# Altium PCB CatsPi-Dev-Board-using-CM4.PcbDoc (part 2 of 2)
Units mm, origin at the board's own origin, x right, y up, seen from the top; angles counter-clockwise.
Board outline 85 x 56 mm, 4 copper layers (Top Layer, GND, Power, Bottom Layer), stack 1.57 mm thick; 86 components, 97 nets, 561 pads, 447 vias.
Unrouted connection lines stored in the file: 3.
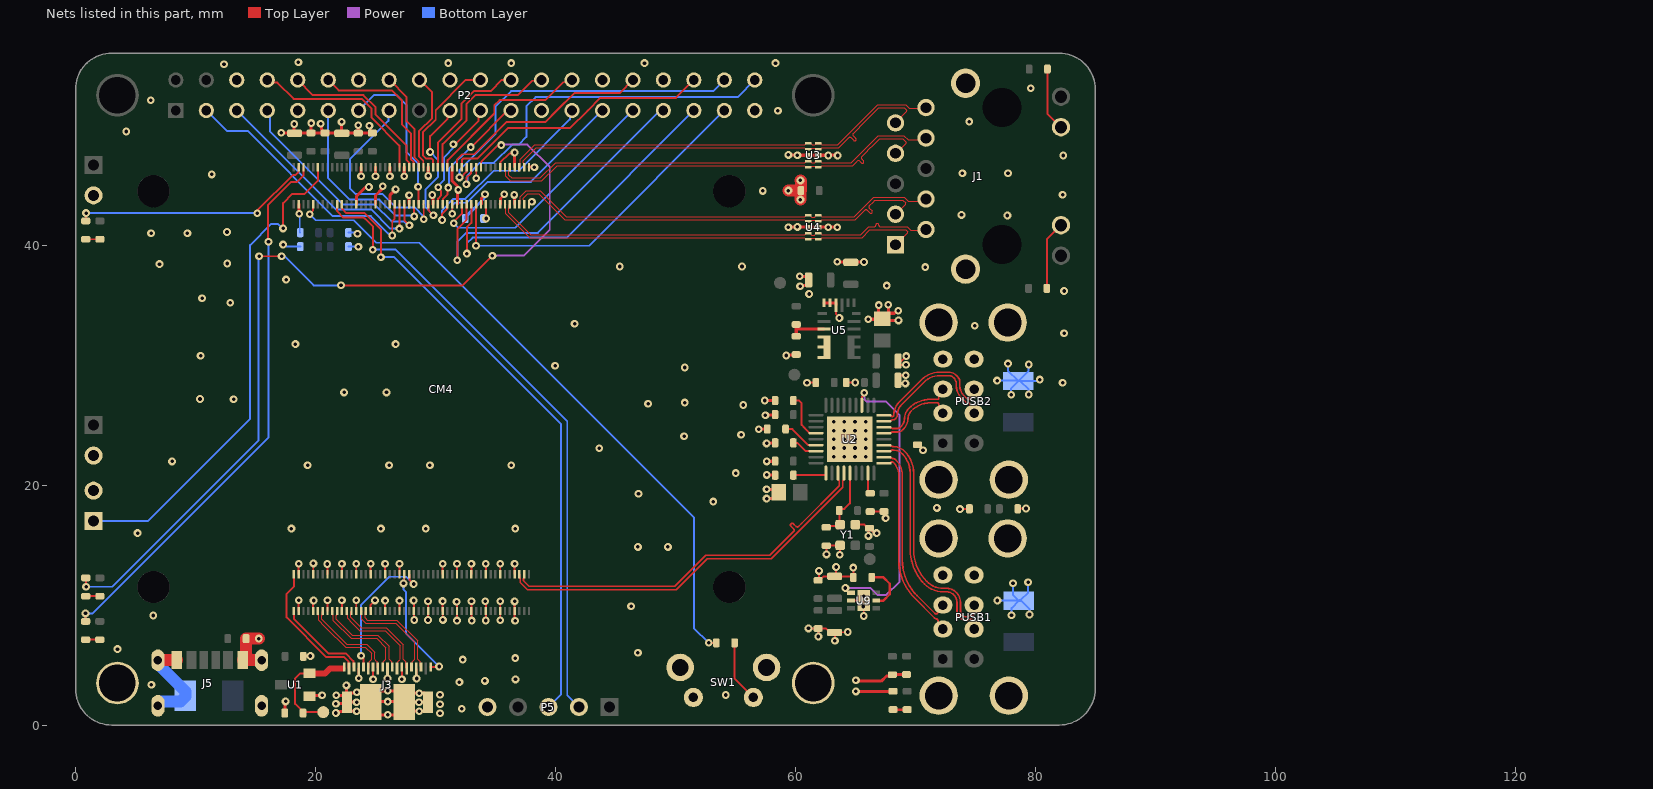
[diagram p4: the nets of this part, all layers, seen from the top]

## Via types
v1: diameter 0.65, hole 0.3, Top Layer to Bottom Layer, tented both sides, 372 vias
v2: diameter 0.85, hole 0.45, Top Layer to Bottom Layer, tented both sides, 55 vias
v3: diameter 0.66, hole 0.3, Top Layer to Bottom Layer, tented both sides, 20 vias

## Nets (pads, with @x,y where several pads share a name; then routed paths per layer and width w, separated by ;. In a path a pad name is that pad's centre, name@x,y a point inside that pad or via, vN(x,y) a via of type N, cw(c..) or ccw(c..) an arc to the next point about the centre after c; other vN are vias at no path point) (continued)
GND: C1.1 C3.1 C4.2 C5.2 C6.1 C7.1 C8.2 C10.1 C11.2 C12.2 C13.1 C14.2 C15.1 C16.1 C17.1 C18.1 C19.1 C20.1 C21.1 C22.1 C23.1 C24.1 C25.1 C44.1 C45.1 C46.2 C48.1 C61.2 C62.2 C63.2 C68.2 C69.2 C79.1 C82.1 C83.1 C109.2 C112.2 C113.2 C115.1 CM4.1 CM4.2 CM4.7 CM4.8 CM4.13 CM4.14 CM4.22 CM4.23 CM4.32 CM4.33 CM4.42 CM4.43 CM4.52 CM4.53 CM4.59 CM4.60 CM4.65 CM4.66 CM4.71 CM4.74 CM4.98 CM4.107 CM4.108 CM4.113 CM4.114 CM4.119 CM4.120 CM4.125 CM4.126 CM4.131 CM4.132 CM4.137 CM4.138 CM4.144 CM4.150 CM4.155 CM4.156 CM4.161 CM4.162 CM4.167 CM4.168 CM4.173 CM4.174 CM4.179 CM4.180 CM4.185 CM4.186 CM4.191 CM4.192 CM4.197 CM4.198 D15.2 J1.15 J1.16 J3.4 J3.7 J3.10 J3.13 J3.16 J3.20 J3.21 J3.22 J3.23 J5.A12 J5.B12 J5.S1 J5.S2 J5.S3 J5.S4 MH1.1 MH6.1 P1.2 P2.6 P2.9 P2.14 P2.20 P2.25 P2.30 P2.34 P2.39 P3.2 P4.2 P5.5 PUSB1.A4 PUSB1.B4 PUSB1.SH1 PUSB1.SH2 PUSB1.SH3 PUSB1.SH4 PUSB2.A4 PUSB2.B4 PUSB2.SH1 PUSB2.SH2 PUSB2.SH3 PUSB2.SH4 R1.2 R3.2 R4.2 R5.2 R6.2 R9.2 R79.1 R106.1 SW1.1 SW1.PE1 SW1.PE2 U1.1 U2.37 U3.3@61.917,47.5 U3.8@61.082,47.5 U4.3@61.917,41.5 U4.8@61.082,41.5 U5.16 U5.17 U5.18 U9.5 U9.7 Y1.2 Y1.4 | length 216.3
  Top Layer w0.16: J5.A12@13.937,5.4 J5.A12@14.212,5.675 ; J5.S2@15.132,5.4 J5.S3@15.508,5.4 ; CM4.198@18.6,9.5 v1(18.6,10.4) ; CM4.197@18.6,12.58 v1(18.6,13.45) ; CM4.192@19.8,9.5 19.8,10.331 v1(19.846,10.377) ; CM4.191@19.8,12.58 19.813,12.593 19.813,13.463 v1(19.825,13.475) ; v1(20.975,13.425) 20.987,13.413 20.987,12.593 CM4.185@21,12.58 ; CM4.186@21,9.5 v1(21,10.4) ; CM4.180@22.2,9.5 v1(22.2,10.4) ; CM4.179@22.2,12.58 v1(22.2,13.45) ; CM4.174@23.4,9.5 v1(23.4,10.4) ; CM4.173@23.4,12.58 v1(23.4,13.45) ; v1(23.6,3.9) J3.16@23.6,4.7 ; CM4.168@24.6,9.5 24.6,10.023 v1(24.963,10.386) ; CM4.167@24.6,12.58 v1(24.6,13.45) ; v1(24.8,3.817) J3.13@24.8,4.825 ; CM4.162@25.8,9.5 v1(25.8,10.375) ; CM4.161@25.8,12.58 v1(25.8,13.45) ; v1(26,3.875) J3.10@26,4.7 ; CM4.156@27,9.5 v1(27,10.375) ; CM4.155@27,12.58 v1(27,13.45) ; v1(27.2,3.817) J3.7@27.2,4.825 ; v1(28.178,10.376) 28.2,10.354 CM4.150@28.2,9.5 28.213,9.487 28.213,8.762 v1(28.225,8.75) ; J3.4@28.4,4.7 28.413,4.687 28.413,3.888 v1(28.425,3.875) ; v1(29.375,8.75) 29.388,8.762 29.388,9.488 CM4.144@29.4,9.5 29.4,10.3 v1(29.375,10.325) ; v1(30.596,10.329) 30.6,10.325 CM4.138@30.6,9.5 30.609,9.491 30.609,8.774 v1(30.618,8.765) ; CM4.137@30.6,12.58 v1(30.6,13.45) ; v1(31.764,10.267) 31.8,10.231 CM4.132@31.8,9.5 v1(31.8,8.7) ; CM4.131@31.8,12.58 v1(31.8,13.45) ; CM4.125@33,12.58 v1(33,13.45) ; v1(33.004,10.309) 33,10.305 CM4.126@33,9.5 33,8.725 v1(33.025,8.7) ; v1(33.4,45.573) CM4.23@33.4,46.5 ; v1(34.15,10.325) 34.2,10.275 CM4.120@34.2,9.5 34.2,8.715 v1(34.193,8.708) ; CM4.119@34.2,12.58 v1(34.2,13.45) ; v1(35.4,8.725) CM4.114@35.4,9.5 v1(35.4,10.325) ; CM4.113@35.4,12.58 v1(35.4,13.45) ; CM4.13@35.4,46.5 35.42,46.52 35.42,46.899 36.153,47.631 36.506,47.631 v1(36.6,47.725) ; v1(36.6,10.3) CM4.108@36.6,9.5 36.6,8.724 v1(36.636,8.688) ; CM4.107@36.6,12.58 v1(36.6,13.45) ; v1(60.975,28.525) 61,28.55 C25.1@61.713,28.55 ; v1(61.1,8.05) 61.106,8.044 61.894,8.044 C82.1@61.9,8.038 ; C83.1@61.9,12.062 61.975,12.137 v1(61.975,12.85) ; v1(61.925,7.375) 61.925,8.013 C82.1@61.9,8.038 ; C83.1@61.975,12.062 62.034,12.062 62.361,12.389 C112.2@63.275,12.389 ; v1(62.6,14.225) 62.6,14.926 C46.2@62.575,14.951 62.587,14.963 Y1.4@63.719,14.963 ; v1(63.3,7.025) 63.3,7.686 C113.2@63.275,7.711 ; U5.16@63.391,34.994 63.391,34.245 63.675,33.961 v1(63.675,33.925) ; v1(63.4,13.175) 63.4,12.514 C112.2@63.275,12.389 ; v1(63.7,14.2) 63.716,14.216 63.716,14.96 Y1.4@63.719,14.963 ; Y1.4@63.731,14.976 Y1.4@63.719,14.963 ; C23.1@64.238,28.55 v1(65,28.55) ; v1(64.375,7.75) 64.355,7.73 63.295,7.73 C113.2@63.275,7.711 ; U9.5@64.65,10.375 U9.7@65.7,10.375 ; v1(64.825,13.125) 64.831,13.119 R106.1@64.831,12.306 ; R106.1@64.838,12.3 R106.1@64.831,12.306 ; Y1.2@65.001,16.703 65.75,16.703 66.041,16.412 C48.1@66.175,16.412 ; v1(65.675,9.875) U9.7@65.7,9.9 ; v1(65.7,9.087) U9.7@65.7,9.9 ; v1(65.7,10.75) U9.7@65.7,10.375 ; v1(66.094,15.764) 66.094,16.331 C48.1@66.175,16.412 ; R3.2@66.244,17.797 C20.1@67.394,17.797 67.525,17.666 v1(67.525,17.25) ; v1(66.776,15.996) 66.591,15.996 C48.1@66.175,16.412 ; v1(69.175,28.475) 68.784,28.475 68.564,28.694 C63.2@68.564,28.735 68.564,28.925 68.784,29.144 69.194,29.144 v1(69.2,29.15) ; v1(69.225,30.025) 68.784,30.025 68.564,30.244 C62.2@68.564,30.335 68.835,30.335 v1(69.25,30.75) ; C24.1@70.175,23.363 70.632,22.906 v1(70.645,22.906) ; v1(73.725,18) 74.488,18 C15.1@74.513,18.025 ; C17.1@78.537,18.025 78.562,18.05 v1(79.225,18.05) ; C82.1@61.9,8.038 62.578,8.038 62.906,7.711 C113.2@63.275,7.711 ; C112.2@63.275,12.389 64.749,12.389 R106.1@64.831,12.306 ; U9.7@65.7,9.9 U9.7@65.7,10.375
  Top Layer w0.254: v1(17.15,49.375) 17.175,49.35 C12.2@18.23,49.35 ; C45.1@17.438,1 17.471,1.033 17.471,1.938 v1(17.505,1.971) ; v1(18.225,50.1) 18.225,49.356 C12.2@18.23,49.35 ; CM4.98@18.621,43.42 18.621,42.654 v1(18.65,42.625) ; C44.1@18.987,5.725 18.999,5.738 19.563,5.738 v1(19.575,5.75) ; U1.1@19.505,2.411 19.569,2.475 v1(20.55,2.475) ; C14.2@19.626,49.351 19.638,49.363 19.638,50.163 v1(19.65,50.175) ; v1(20.425,50.125) 20.501,50.049 20.501,49.651 20.555,49.597 20.555,49.503 20.706,49.351 C13.1@20.801,49.351 ; v1(21.7,1) 21.807,1 21.934,1.127 22.327,1.127 22.625,1.425 J3.20@22.625,1.448 ; v1(21.7,1.775) 22.575,1.775 J3.20@22.625,1.725 ; v1(21.725,2.475) 22.525,2.475 J3.20@22.575,2.425 ; v1(22.175,50.275) 22.175,49.34 C8.2@22.179,49.337 ; C8.2@22.19,49.325 C8.2@22.179,49.337 ; v1(22.575,3.3) J3.20@22.575,2.425 ; CM4.74@23.4,43.42 23.4,44.05 24.2,44.85 v1(24.45,44.85) ; v1(23.561,50) 23.561,49.981 23.641,49.9 23.563,49.822 23.563,49.35 C11.2@23.565,49.348 ; CM4.71@23.8,46.5 v1(23.801,45.752) v1(23.801,45.752) ; v1(24.492,49.96) 24.438,49.96 24.567,49.831 24.567,49.499 24.719,49.348 C7.1@24.74,49.348 ; C7.1@24.842,49.348 C7.1@24.74,49.348 ; CM4.66@25,43.42 25.01,43.43 25.01,44.147 25.6,44.737 v1(25.6,44.912) ; CM4.65@25,46.5 25,45.753 v1(25.001,45.752) ; CM4.60@26.2,43.42 26.221,43.441 26.221,44.196 v1(26.675,44.65) ; CM4.59@26.2,46.5 v1(26.201,45.752) v1(26.201,45.752) ; CM4.53@27.4,46.5 27.4,45.754 v1(27.401,45.752) ; CM4.52@27.8,43.42 27.801,43.421 v1(27.801,44.152) ; v1(29.4,45.775) CM4.43@29.4,46.5 ; v1(29.74,44.183) 29.779,44.144 29.779,43.441 CM4.42@29.8,43.42 ; CM4.33@31.4,46.5 31.397,46.497 31.397,45.353 31.826,44.924 v1@31.826,44.571 ; CM4.32@31.8,43.42 31.821,43.441 31.821,43.886 31.825,43.89 31.825,44.255 ; 31.826,44.256 31.826,44.526 v1(31.902,44.602) ; CM4.22@33.8,43.42 33.821,43.441 33.821,43.886 34.127,44.193 v1(34.127,44.247) ; CM4.14@35.4,43.42 35.421,43.441 35.421,43.886 35.732,44.197 v1(35.732,44.247) ; v1(36.567,44.193) 36.584,44.176 36.584,43.436 CM4.8@36.6,43.42 ; CM4.7@36.6,46.5 v1(36.6,47.725) ; CM4.1@37.8,46.5 v1(38.25,46.5) ; CM4.2@37.827,43.548 37.96,43.548 v1(38.036,43.624) ; v1(56.95,24.65) 56.963,24.663 57.651,24.663 R4.2@57.663,24.675 ; v1(57.45,27.05) R5.2@58.313,27.05 ; v1@57.492,25.817 v1(57.5,25.825) 57.524,25.849 58.289,25.849 C22.1@58.313,25.874 ; v1(57.6,18.875) 58.152,18.875 58.625,19.348 C18.1@58.625,19.4 58.375,19.65 v1(57.6,19.65) ; v1(57.6,23.475) 57.624,23.499 58.289,23.499 R9.2@58.313,23.524 ; v1(57.625,20.85) 57.637,20.837 58.301,20.837 R6.2@58.313,20.825 ; v1(57.625,21.975) 57.638,21.988 58.301,21.988 C21.1@58.313,22 ; v1(59.25,30.8) 59.293,30.843 60.07,30.843 R79.1@60.075,30.848 ; v1(59.425,41.5) v1(62.75,41.5) ; v1(59.425,47.525) 59.45,47.5 v1(60.175,47.5) ; v1(60.175,41.525) 60.187,41.513 62.737,41.513 v1(62.75,41.5) ; v1(60.375,37.4) 60.935,37.4 61.111,37.224 C68.2@61.111,37.1 61.111,36.827 60.935,36.651 60.476,36.651 v1(60.4,36.575) ; U5.18@62.391,35.195 U5.17@62.891,35.195 63.389,35.195 63.391,35.193 U5.16@63.391,34.994 ; v1(62.75,47.475) 62.737,47.487 60.187,47.487 v1(60.175,47.5) ; v1(63.5,38.625) 63.513,38.612 65.713,38.612 v1(65.725,38.6) ; v1(63.5,41.5) v1(62.75,41.5) ; v1(63.525,47.475) 63.5,47.5 v1(60.175,47.5) ; v1(65.048,2.8) 65.054,2.806 68.141,2.806 D15.2@68.147,2.812 D15.2@68.121,2.838 ; v1(65.048,3.725) 65.123,3.65 67.15,3.65 67.591,4.091 67.99,4.091 C16.1@68.095,4.197 ; v1(66.075,33.825) 67.225,33.825 C19.1@67.25,33.85 ; v1(66.95,35) 66.95,34.15 C19.1@67.25,33.85 ; v1(67.75,35.025) C19.1@67.75,34.323 ; C16.1@68.121,4.171 C16.1@68.095,4.197 ; v1(68.575,34.525) 68.468,34.525 68.266,34.323 C19.1@67.75,34.323 ; v1(68.6,33.725) 67.375,33.725 C19.1@67.25,33.85 ; C79.1@69.276,4.211 69.269,4.204 68.102,4.204 C16.1@68.095,4.197 ; C12.2@18.23,49.35 C12.2@18.255,49.326 18.266,49.337 C8.2@22.179,49.337 ; C8.2@22.179,49.337 24.729,49.337 C7.1@24.74,49.348 ; J3.20@22.575,2.425 J3.20@22.625,2.375 ; J3.20@22.575,2.425 22.575,1.95 J3.20@22.625,1.9 ; J3.20@22.625,1.448 J3.20@22.625,1.725 ; J3.20@22.625,1.448 22.923,1.15 v1(23.425,1.15) 23.85,1.15 J3.21@24.6,1.9 ; J3.20@22.625,1.725 J3.20@22.625,1.9 ; J3.20@22.625,1.9 J3.20@22.625,2.375 ; J3.20@22.625,1.9 v1(23.425,1.9) J3.21@24.6,1.9 ; J3.20@22.625,2.375 22.923,2.673 23.398,2.673 v1(23.45,2.725) 23.827,2.725 J3.21@24.6,1.952 ; J3.21@24.6,1.9 J3.21@24.6,1.952 ; J3.21@24.6,1.9 24.6,1.623 25.373,0.85 v1(26.025,0.85) 26.627,0.85 27.4,1.623 J3.22@27.4,1.9 ; J3.21@24.6,1.9 24.65,1.95 v1(26.025,1.95) 27.35,1.95 J3.22@27.4,1.9 ; J3.21@24.6,1.952 24.6,2.077 25.373,2.85 v1(26.025,2.85) 26.627,2.85 27.4,2.077 J3.22@27.4,1.9 ; J3.22@27.4,1.9 28.15,1.15 v1(28.65,1.15) 29.077,1.15 29.375,1.448 J3.23@29.375,1.9 ; J3.22@27.4,1.9 28.15,2.65 v1(28.65,2.65) 29.077,2.65 29.375,2.352 J3.23@29.375,1.9 ; J3.22@27.4,1.9 v1(28.625,1.9) J3.23@29.375,1.9 ; C19.1@67.25,33.85 67.723,34.323 C19.1@67.75,34.323 ; C19.1@67.25,33.85 67.277,33.85 C19.1@67.75,34.323
  Top Layer w1: J5.S1@6.867,5.4 J5.B12@8.437,5.4 ; J5.A12@13.937,5.4 14.6,5.4 ; J5.S2@15.132,5.4 14.6,5.4 ; v1(15.275,7.2) C61.2@14.212,7.2 14.212,5.788 14.6,5.4 ; v1(59.425,44.55) C10.1@60.463,44.55 ; v1(60.425,43.8) 60.425,44.512 C10.1@60.463,44.55 ; v1(60.425,45.4) 60.463,45.362 C10.1@60.463,44.55
  Bottom Layer w0.16: v1(17.3,40.05) 17.433,40.05 17.608,39.875 C6.1@18.737,39.875 ; v1(18.65,42.625) 18.689,42.586 18.689,41.079 C5.2@18.729,41.039 ; C3.1@22.742,41.039 23.422,41.039 v1(23.502,40.959) ; C4.2@22.75,39.875 v1(23.575,39.875) ; v1(76.822,28.71) C115.1@78.565,28.71 ; v1(76.847,10.38) C1.1@78.599,10.38 ; v1(77.725,30.125) 77.725,29.55 C115.1@78.565,28.71 ; v1(77.991,27.523) 77.991,28.066 C115.1@78.6,28.675 ; v1(78.021,9.155) 78.021,9.75 C1.1@78.625,10.354 ; v1(78.147,11.814) 78.147,10.832 C1.1@78.599,10.38 ; v1(79.4,11.9) 79.4,11.036 C1.1@78.789,10.425 ; v1(79.45,27.55) 79.45,27.993 C115.1@78.768,28.675 ; v1(79.45,30.05) 79.45,29.525 C115.1@78.6,28.675 ; v1(79.515,9.215) 79.515,9.672 78.833,10.354 C1.1@78.718,10.354 ; v1(80.378,28.79) 80.263,28.675 C115.1@78.768,28.675 ; C115.1@78.565,28.71 C115.1@78.6,28.675 ; C1.1@78.599,10.38 C1.1@78.625,10.354 ; C115.1@78.6,28.675 C115.1@78.768,28.675 ; C1.1@78.625,10.354 78.696,10.425 C1.1@78.789,10.425 ; C1.1@78.625,10.354 C1.1@78.718,10.354 ; C1.1@78.718,10.354 C1.1@78.789,10.425
  Bottom Layer w0.254: R1.2@32.488,42.225 32.488,42.327 34.052,43.89 34.052,44.172 v1(34.127,44.247)
  Bottom Layer w1: J5.S2@6.867,1.6 6.867,1.922 6.914,1.969 8.768,1.969 9.156,2.358 C109.2@9.156,2.425 9.156,2.806 6.931,5.031 6.914,5.031 6.867,5.078 J5.S1@6.867,5.4
  other v1: 30.375,0.975 32.2,1.35 30.375,1.725 54.2,2.5 30.375,2.525 6.325,3.35 32,3.575 34.125,3.675 36.675,3.8 32.275,5.45 36.65,5.575 46.875,6.025 3.5,6.325 6.475,9.125 46.313,9.9 46.875,14.85 49.375,14.85 5.175,16 17.989,16.375 25.454,16.375 29.186,16.375 36.65,16.375 71.8,18.1 53.15,18.625 46.925,19.275 55.025,21 19.346,21.65 26.137,21.65 29.533,21.65 36.325,21.65 8.05,21.975 43.65,23.075 50.725,24.075 55.475,24.2 55.65,26.675 47.725,26.775 50.775,26.875 13.175,27.15 10.375,27.175 22.383,27.725 25.917,27.725 82.275,28.525 50.775,29.8 39.975,29.95 10.425,30.775 18.325,31.75 26.675,31.75 82.4,32.65 74.95,33.275 41.6,33.45 12.9,35.2 10.548,35.579 61.15,35.925 82.4,36.175 67.625,36.625 17.55,37.125 70.825,38.175 45.367,38.225 55.55,38.225 7,38.425 12.65,38.475 6.3,40.998 9.325,40.998 12.625,41.1 77.675,42.475 73.85,42.525 82.275,44.2 57.275,44.525 11.35,45.9 73.925,46 77.725,46 82.325,47.475 4.225,49.475 74.5,50.3 58.55,51.2 6.275,52.075 79.625,53.075 12.375,55.075 31.075,55.175 36.325,55.175 47.425,55.175 58.35,55.175 18.575,55.25
  other v3: 63.204,22.352 64.089,22.352 64.975,22.352 65.86,22.352 63.204,23.088 64.089,23.088 64.975,23.088 65.86,23.088 63.204,23.825 64.089,23.825 64.975,23.825 65.86,23.825 63.204,24.536 64.089,24.536 64.975,24.536 65.86,24.536 63.204,25.273 64.089,25.273 64.975,25.273 65.86,25.273
GPIO0_P27: CM4.36 P2.27 | length 16.9
  Top Layer w0.16: v1(30.55,42.1) 30.55,42.6 30.559,42.6 30.98,43.021 30.98,43.4 CM4.36@31,43.42
  Bottom Layer w0.16: v1(30.55,42.1) 30.55,42.9 31.5,43.85 32.5,43.85 34.85,46.2 36.929,46.2 41.21,50.482 41.21,51.061 P2.27@41.379,51.23
GPIO1_P28: CM4.35 P2.28 | length 14.1
  Top Layer w0.16: CM4.35@31,46.5 31.02,46.52 31.02,47.095 34.9,50.975 34.9,51.656 35.341,52.097 39.172,52.097 40.653,53.578 41.188,53.578 P2.28@41.379,53.77
GPIO2_SDA_P3: CM4.58 P2.3 | length 22.5
  Top Layer w0.16: v1(26.401,40.802) 26.401,41.899 26.401,42.001 26.6,42.2 CM4.58@26.6,43.42
  Bottom Layer w0.16: P2.3@10.899,51.23 12.629,49.5 14.375,49.5 21.45,42.425 24.625,42.425 26.085,40.965 26.106,40.965 26.269,40.802 v1(26.401,40.802)
GPIO3_SCL_P5: CM4.56 P2.5 | length 19.7
  Top Layer w0.16: v1(26.997,41.381) 27,41.384 CM4.56@27,43.42
  Bottom Layer w0.16: P2.5@13.439,51.23 13.445,51.23 21.7,42.975 24.65,42.975 26.244,41.381 v1(26.997,41.381)
GPIO4_P7: CM4.54 P2.7 | length 18.6
  Top Layer w0.16: CM4.54@27.4,43.42 27.411,43.409 27.411,42.067 v1(27.826,41.652)
  Bottom Layer w0.16: P2.7@15.979,51.23 16.192,51.018 16.192,49.508 22.325,43.375 24.95,43.375 26.352,41.973 27.373,41.973 27.694,41.652 v1(27.826,41.652)
GPIO5_P29: CM4.34 P2.29 | length 17.3
  Top Layer w0.16: CM4.34@31.4,43.42 31.401,43.419 v1(31.403,42.618) v1(31.403,42.618)
  Bottom Layer w0.16: v1(31.403,42.618) 31.403,43.311 31.629,43.538 32.629,43.538 34.367,45.275 37.964,45.275 P2.29@43.919,51.23
GPIO6_P31: CM4.30 P2.31 | length 21
  Top Layer w0.16: v1(31.525,41.825) 31.525,41.95 32.2,42.625 CM4.30@32.2,43.42
  Bottom Layer w0.16: v1(31.525,41.825) 31.9,41.45 36.65,41.45 46.43,51.23 P2.31@46.459,51.23
GPIO7_P26: CM4.37 P2.26 | length 13.2
  Top Layer w0.16: CM4.37@30.6,46.5 30.6,48.425 32.6,50.425 32.6,51.775 33.325,52.5 36.85,52.5 38.058,53.708 38.777,53.708 P2.26@38.839,53.77
GPIO8_P24: CM4.39 P2.24 | length 11.1
  Top Layer w0.16: CM4.39@30.2,46.5 30.2,48.55 32.175,50.525 32.175,51.825 33.2,52.85 34.6,52.85 35.518,53.768 36.297,53.768 P2.24@36.299,53.77
GPIO9_P19_MISO: CM4.40 P2.21 | length 9.7
  Top Layer w0.16: CM4.40@30.2,43.42 30.22,43.44 30.22,43.888 30.475,44.143 30.475,44.481 30.229,44.728 v1(30.229,44.82) ; v1(31.493,48.407) 31.626,48.407 31.641,48.391 33.605,50.355 33.605,51.076 P2.21@33.759,51.23
  Bottom Layer w0.16: v1(30.229,44.82) 30.229,44.952 30.725,45.449 30.725,47.325 31.584,48.184 31.584,48.316 v1(31.493,48.407)
GPIO10_P21_MOSI: CM4.44 P2.19 | length 11.5
  Top Layer w0.16: CM4.44@29.4,43.42 29.42,43.4 29.42,42.906 v1(29.826,42.5) ; v1(29.557,47.766) 29.557,49.082 31.007,50.532 31.007,51.018 P2.19@31.219,51.23
  Bottom Layer w0.16: v1(29.557,47.766) 30.2,47.124 30.2,45.675 29.175,44.65 29.175,43.15 v1(29.826,42.5)
GPIO11_P23_SCK: CM4.38 P2.23 | length 10.4
  Top Layer w0.16: CM4.38@30.6,43.42 30.62,43.44 30.62,43.845 31.01,44.235 31.01,44.735 v1(31.075,44.8) ; v1(32.935,48.175) 32.971,48.175 36.026,51.23 P2.23@36.299,51.23
  Bottom Layer w0.16: v1(31.075,44.8) 31.125,44.85 31.125,46.365 v1(32.935,48.175)
GPIO12_P32: CM4.31 P2.32 | length 18.1
  Top Layer w0.16: CM4.31@31.8,46.5 31.8,47.153 32.222,47.575 33.25,47.575 35.95,50.275 39.175,50.275 40.125,51.225 41.575,52.675 45.364,52.675 P2.32@46.459,53.77
GPIO13_P33: CM4.28 P2.33 | length 28.2
  Top Layer w0.16: v1(31.825,38.75) 31.825,41.337 32.6,42.112 CM4.28@32.6,43.42
  Bottom Layer w0.16: v1(31.825,38.75) 31.825,40.3 32.55,41.025 38.533,41.025 48.738,51.23 P2.33@48.999,51.23
GPIO14_P8_TX: CM4.55 P2.8 | length 15.5
  Top Layer w0.16: P2.8@15.979,53.77 16.192,53.558 16.817,53.558 18.175,52.2 23.858,52.2 24.675,51.383 24.675,50.625 27,48.3 CM4.55@27,46.5
GPIO15_P10_RX: CM4.51 P2.10 | length 13.6
  Top Layer w0.16: P2.10@18.519,53.77 19.777,52.512 23.988,52.512 25.009,51.491 25.009,50.891 27.6,48.3 27.6,47.079 27.78,46.899 27.78,46.52 CM4.51@27.8,46.5
GPIO16_P36: CM4.29 P2.36 | length 22.7
  Top Layer w0.16: CM4.29@32.2,46.5 32.22,46.52 32.22,47.131 32.314,47.225 33.512,47.225 36.037,49.75 41.213,49.75 42.675,51.212 43.738,52.275 50.044,52.275 P2.36@51.539,53.77
GPIO17_P11: CM4.50 P2.11 | length 15.2
  Top Layer w0.16: CM4.50@28.2,43.42 28.212,43.408 28.212,42.409 v1(28.224,42.397)
  Bottom Layer w0.16: P2.11@21.059,51.23 21.059,45.591 22.85,43.8 25.325,43.8 26.65,42.475 28.146,42.475 v1(28.224,42.397)
GPIO18_P12: CM4.49 P2.12 | length 12.8
  Top Layer w0.16: P2.12@21.059,53.77 21.927,52.903 26.372,52.903 27.225,52.05 27.225,50.05 27.95,49.325 27.95,47.17 28.18,46.94 28.18,46.52 CM4.49@28.2,46.5
GPIO19_P35: CM4.26 P2.35 | length 28.6
  Top Layer w0.16: v1(32.625,39.296) 32.625,41.488 33,41.863 CM4.26@33,43.42
  Bottom Layer w0.16: v1(32.625,39.296) 32.625,40.15 33.1,40.625 40.934,40.625 P2.35@51.539,51.23
GPIO20_P38: CM4.27 P2.38 | length 28.3
  Top Layer w0.16: v1(32.002,45.652) 32.131,45.652 32.58,46.101 32.58,46.48 CM4.27@32.6,46.5
  Bottom Layer w0.16: v1(32.002,45.652) 32.002,46.246 35,49.245 35,51.55 36.3,52.85 53.159,52.85 P2.38@54.079,53.77
GPIO21_P40: CM4.25 P2.40 | length 31.1
  Top Layer w0.16: v1(32.577,45.077) 32.577,45.602 32.98,46.005 32.98,46.48 CM4.25@33,46.5
  Bottom Layer w0.16: v1(32.577,45.077) 32.67,45.171 32.67,45.411 32.675,45.416 32.675,45.82 33.705,46.85 34.875,46.85 36.4,48.375 36.925,48.375 37.581,49.031 37.581,51.581 38.35,52.35 55.199,52.35 P2.40@56.619,53.77
GPIO22_P15: CM4.46 P2.15 | length 16.5
  Top Layer w0.16: CM4.46@29,43.42 29.027,43.393 v1(29.027,42.164)
  Bottom Layer w0.16: P2.15@26.139,51.23 26.08,51.171 26.08,50.355 22.875,47.15 22.875,44.725 23.35,44.25 25.6,44.25 26.7,43.15 28.259,43.15 29.027,42.383 v1(29.027,42.164)
GPIO23_P16: CM4.47 P2.16 | length 8.3
  Top Layer w0.16: P2.16@26.139,53.77 26.18,53.77 27.6,52.35 27.6,50.325 28.262,49.663 28.262,47.3 28.58,46.982 28.58,46.52 CM4.47@28.6,46.5
GPIO24_P18: CM4.45 P2.18 | length 8.3
  Top Layer w0.16: P2.18@28.679,53.77 29.713,52.737 29.713,50.6 28.638,49.525 28.638,47.366 28.98,47.024 28.98,46.52 CM4.45@29,46.5
GPIO25_P22: CM4.41 P2.22 | length 10.6
  Top Layer w0.16: CM4.41@29.8,46.5 29.8,47.09 29.681,47.209 29.241,47.209 28.95,47.5 28.95,49.395 30.025,50.47 30.025,51.262 32.533,53.77 P2.22@33.759,53.77
GPIO26_P37: CM4.24 P2.37 | length 28.9
  Top Layer w0.16: v1(33.377,39.952) 33.377,43.06 33.38,43.063 33.38,43.4 CM4.24@33.4,43.42
  Bottom Layer w0.16: v1(33.377,39.952) 42.801,39.952 P2.37@54.079,51.23
GPIO27_P13: CM4.48 P2.13 | length 13.5
  Top Layer w0.16: v1(28.55,44.875) 28.58,44.845 28.58,43.44 CM4.48@28.6,43.42
  Bottom Layer w0.16: P2.13@23.599,51.23 24.869,52.5 26.775,52.5 27.6,51.675 27.6,47.725 28.55,46.775 v1(28.55,44.875)
H5V: C45.2 H5V.1 J3.19 U1.2 | length 9.2
  Top Layer w0.16: U1.2@19.505,4.311 18.711,4.311 18.3,3.9 18.3,1.764 18.962,1.102 C45.2@18.962,1 19.037,1.075 H5V.1@20.65,1.075
  Top Layer w0.5: U1.2@19.505,4.311 20.811,4.311 21.2,4.7 22.265,4.7
HDMI0_CEC: CM4.151 J3.15 | length 11.9
  Top Layer w0.16: v1(23.802,5.773) 23.802,5.748 24,5.55 J3.15@24,4.825 ; CM4.151@27.8,12.58 27.82,12.56 27.82,12.105 28.172,11.753 v1(28.175,11.753)
  Bottom Layer w0.16: v1(23.802,5.773) 23.802,10.014 26.15,12.361 27.566,12.361 v1(28.175,11.753)
HDMI0_CLK_N: CM4.190 J3.14 | length 7.7
  Top Layer w0.104: CM4.190@20.2,9.5 20.248,9.452 20.248,9.165 20.272,9.141 20.272,8.716 20.694,8.294 20.875,8.112 22.519,6.469 24.169,6.469 24.672,5.966 24.672,5.465 24.611,5.404 24.6,5.404 24.463,5.267 24.463,4.763 J3.14@24.4,4.7
HDMI0_CLK_P: CM4.188 J3.12 | length 7.7
  Top Layer w0.104: CM4.188@20.6,9.5 20.552,9.452 20.552,9.165 20.528,9.141 20.528,8.822 20.875,8.475 22.625,6.725 24.275,6.725 24.928,6.072 24.928,5.465 24.989,5.404 25,5.404 25.137,5.267 25.137,4.763 J3.12@25.2,4.7
HDMI0_HPD_5V: CM4.153 J3.1 | length 9.7
  Top Layer w0.16: v1(27.335,11.804) 27.4,11.869 CM4.153@27.4,12.58 ; J3.1@29.6,4.825 30.25,4.825 v1(30.3,4.875)